# Altium PCB 11BRANMB10H_20170919.pcbdoc (part 4 of 7) (continued)
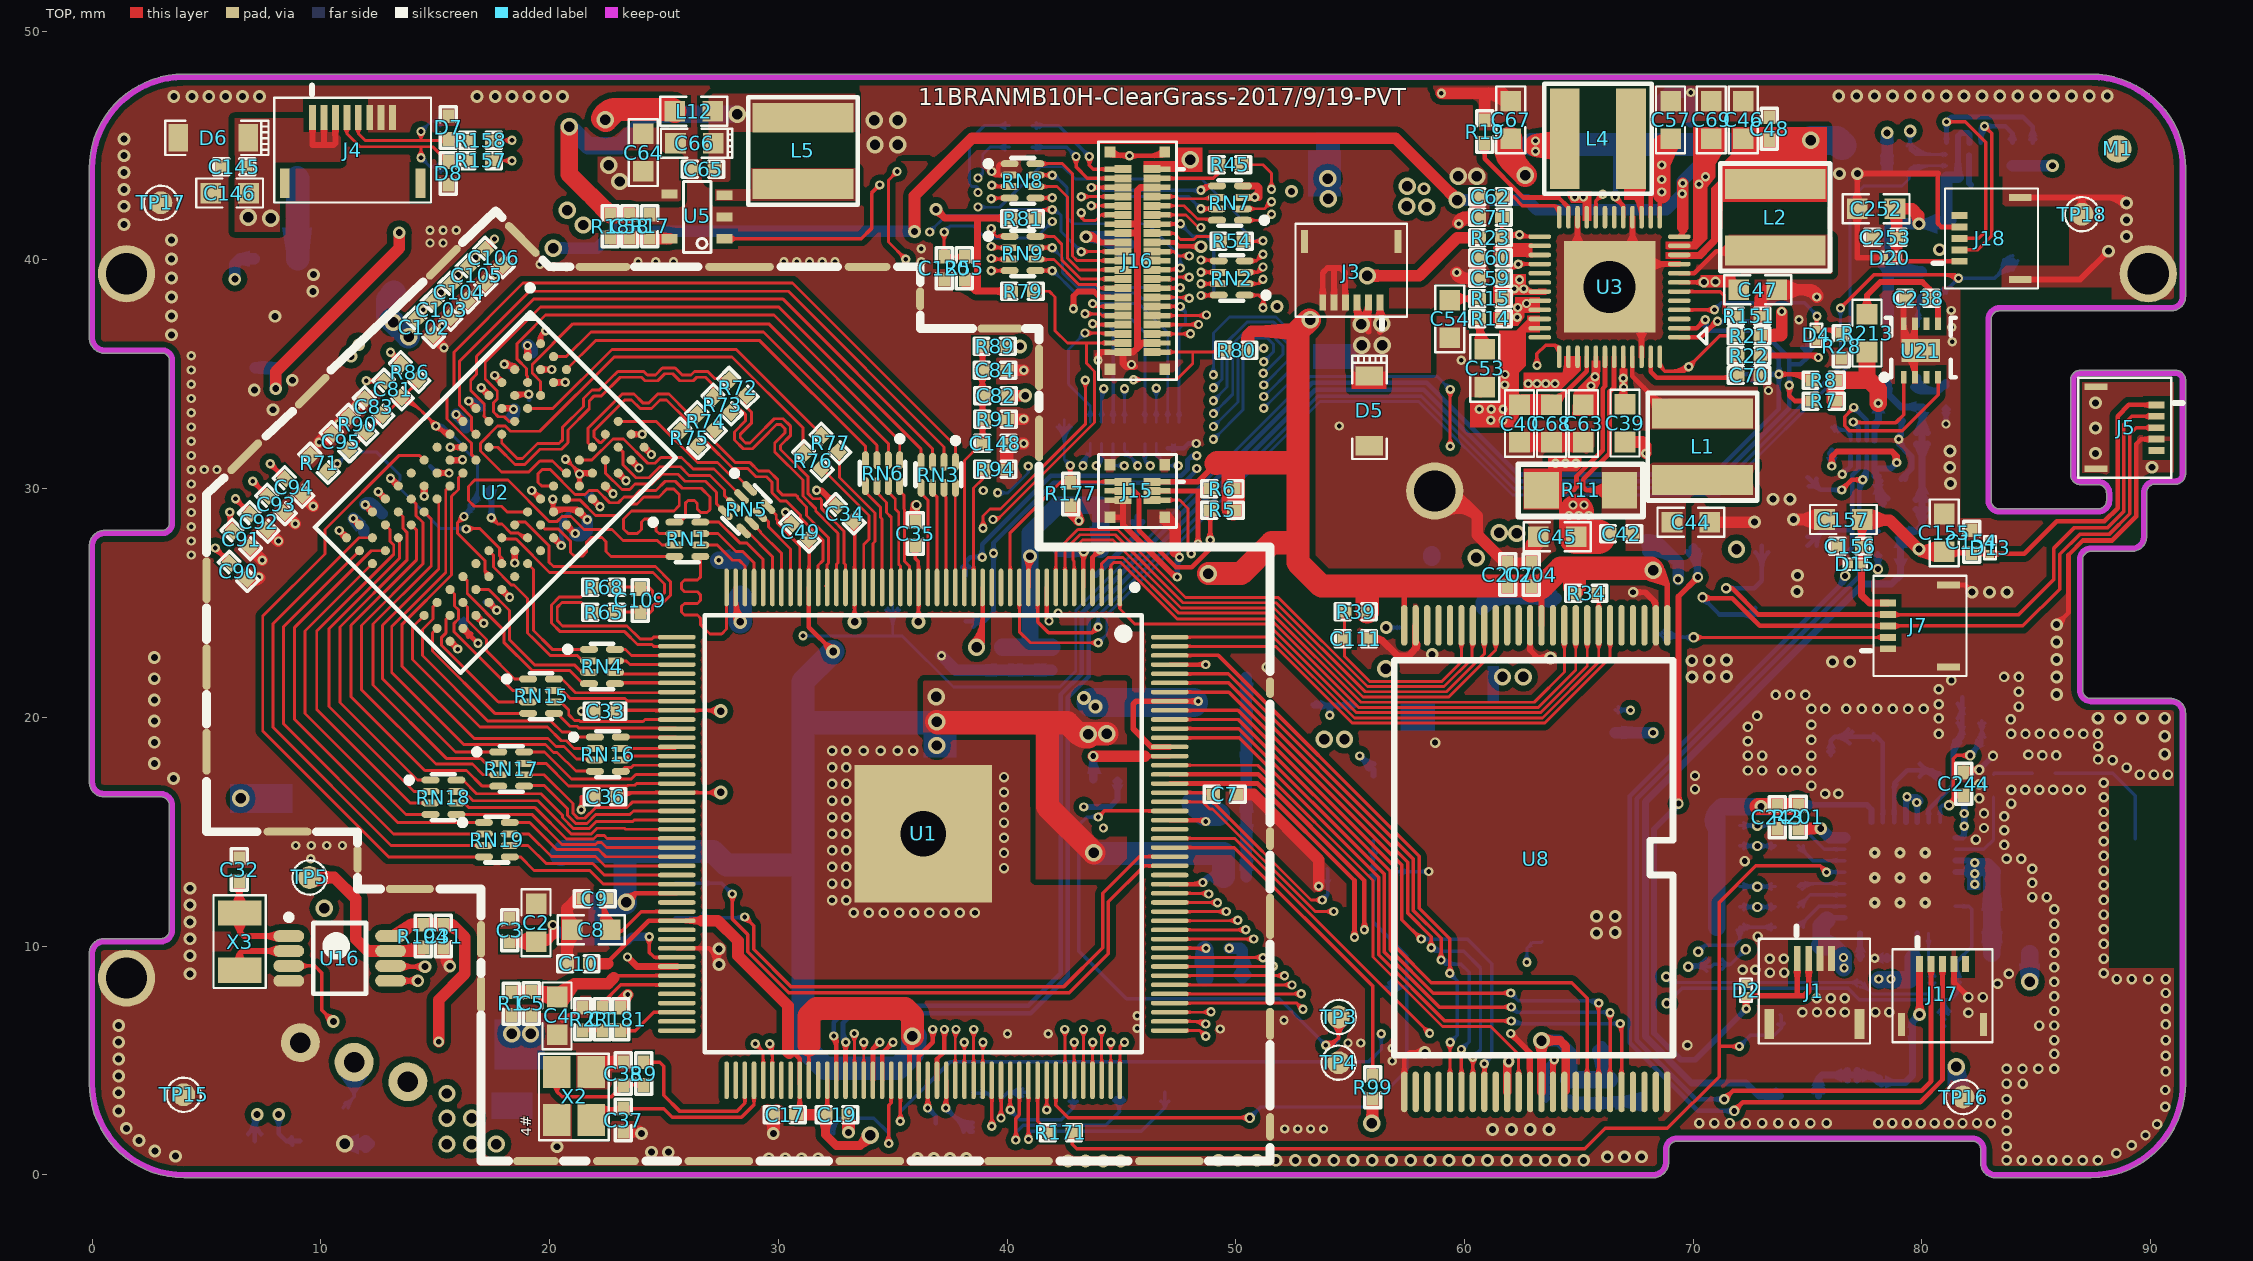
[diagram p0: TOP view]
## Nets (pads, with @x,y where several pads share a name; then routed paths per layer and width w, separated by ;. In a path a pad name is that pad's centre, name@x,y a point inside that pad or via, vN(x,y) a via of type N, cw(c..) or ccw(c..) an arc to the next point about the centre after c; other vN are vias at no path point) (continued)
  BOTTOM w0.127: v1(38.726,43.586) 38.938,43.799 ; v1@38.738,43.726 ccw(c38.76,43.977) 38.938,43.799 ; v1@38.865,43.598 cw(c39.117,43.62) 38.938,43.799 ; R46.2@39.92,44.801 ccw(c39.601,44.482) 39.601,44.933 ccw(c39.601,45.383) R46.2@39.92,45.064 ; R46.2@40.101,44.933 39.255,44.933 38.938,44.616 38.938,43.799
LCD-PWM0: TP26.1 U1.103 U9.5 | length 81.5
  TOP w0.127: v1@33.224,6.081 cw(c32.986,5.843) 33.323,5.843 cw(c33.66,5.843) v1@33.422,6.081 ; 33.323,4.975 ccw(c33.452,4.975) U1.103@33.361,4.884 ; v1(33.323,6.18) 33.323,4.145 U1.103@33.335,4.133 ; v1@59.273,31.95 ccw(c59.035,32.189) 59.372,32.189 ccw(c59.709,32.189) v1@59.471,31.95 ; v1@59.273,34.242 cw(c59.035,34.004) 59.372,34.004 cw(c59.709,34.004) v1@59.471,34.242 ; v1(59.372,31.852) v1(59.372,34.341)
  Singal w0.127: v1@30.937,23.561 cw(c30.632,23.552) 30.848,23.336 ; v1@31.073,23.425 ccw(c31.064,23.12) 30.848,23.336 ; v1(31.077,23.565) 30.848,23.336 ; v1@33.224,6.279 ccw(c32.986,6.517) 33.323,6.517 ccw(c33.66,6.517) v1@33.422,6.279 ; v1(33.323,6.18) 33.323,6.625 30.848,9.1 30.848,23.336 ; v3@56.362,23.927 ccw(c55.841,23.927) 56.209,24.295 ccw(c56.578,24.664) v3@56.578,24.143 ; v3(56.578,23.927) 56.197,24.308 56.197,30.632 57.086,31.521 59.067,31.521 59.372,31.826 v1(59.372,31.852) ; 59.116,31.57 ccw(c58.834,31.852) v1@59.232,31.852 ; 59.177,31.631 cw(c59.372,31.436) v1@59.372,31.712
  BOTTOM w0.127: v1(31.077,23.565) 35.42,23.565 37.655,21.329 42.306,21.329 43.002,22.026 43.002,24.67 53.232,34.9 58.813,34.9 v1(59.372,34.341) ; v1@31.176,23.466 cw(c31.414,23.227) 31.414,23.565 cw(c31.414,23.902) v1@31.176,23.663 ; TP26.1@34.691,24.691 cw(c33.946,23.946) 35,23.946 cw(c36.054,23.946) TP26.1@35.309,24.691 ; TP26.1@34.781,24.781 cw(c34.253,24.253) 35,24.253 cw(c35.747,24.253) TP26.1@35.219,24.781 ; 35,23.577 TP26.1@35,25 ; v3(56.578,23.927) U9.5@57.406,23.927 ; v3@56.731,23.774 cw(c57.099,23.406) 57.099,23.927 cw(c57.099,24.448) v3@56.731,24.079 ; U9.5@57.161,23.887 ccw(c57.065,23.79) 57.065,23.927 ccw(c57.065,24.063) U9.5@57.161,23.967 ; v1@59.232,34.341 ccw(c58.895,34.341) 59.134,34.579 ccw(c59.372,34.818) v1@59.372,34.48
LCD-RESET-N: C120.2 J15.5 J16.19 R55.1 U1.117 | length 85.9
  TOP w0.127: C120.2@37.117,40.325 ccw(c36.799,40.643) 37.249,40.643 ccw(c37.699,40.643) C120.2@37.381,40.325 ; v1@37.15,41.125 cw(c36.91,40.886) 37.249,40.886 ; 37.249,40.888 cw(c37.585,40.888) v1@37.347,41.125 ; v1@37.249,41.268 v1(37.249,41.224) C120.2@37.249,40.143 R55.1@38.138,40.143 ; C120.2@37.381,40.011 cw(c37.699,39.693) 37.699,40.143 cw(c37.699,40.593) C120.2@37.381,40.275 ; R55.1@38.006,40.011 ccw(c37.688,39.693) 37.688,40.143 ccw(c37.688,40.593) R55.1@38.006,40.275 ; v1@38.847,5.7 cw(c38.634,5.488) 38.935,5.488 ; U1.117@38.935,4.133 v1@38.935,5.788 ; 38.935,5.436 cw(c39.309,5.436) v1@39.045,5.7 ; J15.5@46.335,29.5 J15.5@46.925,29.5 47.546,29.5 47.917,29.129 47.917,27.283 v1(48.048,27.152) ; J16.19@46.335,40.37 J16.19@46.925,40.37 47.291,40.37 47.485,40.176 v1(47.968,40.176) v1@47.993,40.176 ; J15.5@46.78,29.46 ccw(c46.684,29.364) 46.684,29.5 ccw(c46.684,29.636) J15.5@46.78,29.54 ; J16.19@46.78,40.33 ccw(c46.684,40.234) 46.684,40.37 ccw(c46.684,40.506) J16.19@46.78,40.41 ; J15.5@47.07,29.46 cw(c47.166,29.364) 47.166,29.5 cw(c47.166,29.636) J15.5@47.07,29.54 ; J16.19@47.07,40.33 cw(c47.166,40.234) 47.166,40.37 cw(c47.166,40.506) J16.19@47.07,40.41 ; v1@47.869,40.077 ccw(c47.631,39.839) 47.631,40.176 ccw(c47.631,40.513) v1@47.869,40.275
  Singal w0.127: v1@37.15,41.125 cw(c36.911,40.887) 37.249,40.887 cw(c37.586,40.887) v1@37.347,41.125 ; v1(37.249,41.224) 37.249,32.156 v1(39.585,29.82) 40.119,29.286 41.287,29.286 42.612,27.961 42.612,23.485 41.876,22.748 41.876,7.175 40.5,5.799 v1(38.946,5.799) ; v1@39.045,5.7 cw(c39.283,5.462) 39.283,5.799 cw(c39.283,6.136) v1@39.045,5.898 ; v1@39.446,29.82 ccw(c39.108,29.82) 39.347,30.058 ccw(c39.585,30.297) v1@39.585,29.959 ; v1@39.585,29.68 cw(c39.585,29.343) 39.824,29.581 cw(c40.062,29.82) v1@39.725,29.82 ; v1(40.932,30.988) 41.897,30.988 42.684,31.775 47.485,31.775 47.917,31.343 47.917,27.283 v1(48.048,27.152) ; v1@41.03,30.889 cw(c41.269,30.651) 41.269,30.988 cw(c41.269,31.325) v1@41.03,31.087 ; v1(41.977,41.681) 44.729,41.681 46.234,40.176 v1(47.968,40.176) ; v1@42.076,41.582 cw(c42.314,41.344) 42.314,41.681 cw(c42.314,42.018) v1@42.076,41.78 ; v1@47.869,40.077 ccw(c47.631,39.839) 47.631,40.176 ccw(c47.631,40.513) v1@47.869,40.275
  BOTTOM w0.127: v1(37.249,41.224) 37.502,41.478 38.536,41.478 39.056,40.957 41.254,40.957 v1(41.977,41.681) ; v1@37.249,41.364 ccw(c37.249,41.701) 37.487,41.463 ccw(c37.726,41.224) v1@37.388,41.224 ; v1(39.585,29.82) 40.043,29.82 40.932,30.709 ; v1@39.684,29.721 cw(c39.923,29.482) 39.923,29.82 cw(c39.923,30.157) v1@39.684,29.918 ; v1@40.848,30.876 cw(c40.722,30.709) 40.932,30.709 ; v1(40.932,30.988) 40.932,30.709 ; v1@41.015,30.876 ccw(c41.141,30.709) 40.932,30.709 ; v1@41.838,41.681 cw(c41.5,41.681) 41.739,41.443 cw(c41.977,41.204) v1@41.977,41.541
LCD-SPI1_CLK: J16.40 R79.2 U1.115 | length 45.1
  TOP w0.127: v1@38.034,5.7 cw(c37.79,5.456) 38.135,5.456 ; U1.115@38.135,4.133 v1@38.135,5.797 ; 38.135,5.467 cw(c38.465,5.467) v1@38.232,5.7 ; v1(39.382,28.651) 39.578,28.651 43.827,32.9 43.827,35.128 43.472,35.484 43.472,36.37 ; R79.2@41.178,38.633 41.846,38.633 42.1,38.379 42.1,36.906 42.636,36.37 43.472,36.37 ; R79.2@41.359,38.502 cw(c41.678,38.183) 41.678,38.633 cw(c41.678,39.084) R79.2@41.359,38.765 ; J16.40@44.33,36.33 ccw(c44.234,36.234) 44.234,36.37 ccw(c44.234,36.506) J16.40@44.33,36.41 ; J16.40@44.62,36.33 cw(c44.716,36.234) 44.716,36.37 cw(c44.716,36.506) J16.40@44.62,36.41 ; J16.40@45.065,36.37 J16.40@44.475,36.37 43.472,36.37
  Singal w0.127: v1@38.034,5.898 ccw(c37.788,6.144) 38.136,6.144 ; v1(38.133,5.799) 38.136,5.802 38.136,6.51 38.133,6.514 38.133,6.672 38.555,7.094 39.205,7.094 41.135,9.024 41.135,22.061 40.533,22.663 40.533,27.011 39.382,28.162 v1(39.382,28.651) ; 38.136,6.128 ccw(c38.462,6.128) v1@38.232,5.898 ; v1@39.283,28.552 cw(c39.045,28.314) 39.382,28.314 cw(c39.719,28.314) v1@39.481,28.552
LCD-SPI1_CS0: J16.41 R80.2 U1.114 | length 50
  TOP w0.127: v1@37.669,6.259 cw(c37.51,6.1) 37.735,6.1 ; U1.114@37.735,4.133 v1@37.735,6.325 ; 37.735,5.941 cw(c38.185,5.941) v1@37.867,6.259 ; v1@38.852,28.369 ccw(c38.613,28.607) 38.95,28.607 ccw(c39.288,28.607) v1@39.049,28.369 ; v1(38.95,28.27) 38.95,28.804 39.255,29.108 39.712,29.108 43.421,32.817 v1(43.421,34.747) ; v1@43.322,34.648 cw(c43.084,34.41) 43.421,34.41 cw(c43.758,34.41) v1@43.52,34.648 ; v1(45.529,34.766) 47.409,34.766 48.12,35.477 48.12,35.97 ; v1@45.628,34.667 cw(c45.867,34.429) 45.867,34.766 cw(c45.867,35.103) v1@45.628,34.865 ; J16.41@46.335,35.97 J16.41@46.925,35.97 48.12,35.97 ; J16.41@46.78,35.93 ccw(c46.684,35.834) 46.684,35.97 ccw(c46.684,36.106) J16.41@46.78,36.01 ; J16.41@47.07,35.93 cw(c47.166,35.834) 47.166,35.97 cw(c47.166,36.106) J16.41@47.07,36.01 ; 48.804,35.97 ccw(c48.804,36.732) R80.2@49.343,36.193 ; 49.111,35.97 ccw(c49.111,36.426) R80.2@49.433,36.103 ; R80.2@49.525,36.061 49.434,35.97 48.12,35.97
  Singal w0.127: v1@37.669,6.457 ccw(c37.431,6.695) 37.768,6.695 ccw(c38.105,6.695) v1@37.867,6.457 ; v1(37.768,6.358) 37.768,6.942 38.149,7.323 39.11,7.323 40.906,9.119 40.906,21.966 40.305,22.568 40.305,26.916 v1(38.95,28.27) ; v1@38.95,28.13 cw(c38.95,27.793) 39.189,28.032 cw(c39.427,28.27) v1@39.09,28.27 ; v1(43.421,34.747) 43.827,35.154 45.142,35.154 v1(45.529,34.766) ; v1@43.421,34.887 ccw(c43.421,35.224) 43.659,34.986 ccw(c43.898,34.747) v1@43.56,34.747 ; v1@45.39,34.766 ccw(c45.052,34.766) 45.291,35.004 ccw(c45.529,35.243) v1@45.529,34.906
LCD-SPI1_MOSI: J16.20 R81.2 U1.116 | length 59.8
  TOP w0.127: v1@38.441,6.259 cw(c38.213,6.031) 38.535,6.031 ; U1.116@38.535,4.133 v1@38.535,6.353 ; 38.535,6.01 cw(c38.887,6.01) v1@38.638,6.259 ; R81.2@41.178,41.808 41.571,42.202 ; R81.2@41.228,41.995 ccw(c41.228,42.324) 41.461,42.091 ; R81.2@41.414,41.812 cw(c41.951,41.822) 41.571,42.202 ; v1@41.878,42.103 ccw(c41.64,41.865) 41.64,42.202 ccw(c41.64,42.539) v1@41.878,42.301 ; v1(41.977,42.202) 41.571,42.202 ; v1@43.257,40.37 J16.20@44.475,40.37 J16.20@45.065,40.37 ; v1@43.346,40.262 cw(c43.608,40) 43.608,40.37 ; v1@43.346,40.459 ccw(c43.561,40.674) 43.561,40.37 ; J16.20@44.33,40.33 ccw(c44.234,40.234) 44.234,40.37 ccw(c44.234,40.506) J16.20@44.33,40.41 ; J16.20@44.62,40.33 cw(c44.716,40.234) 44.716,40.37 cw(c44.716,40.506) J16.20@44.62,40.41
  Singal w0.127: v1@36.515,41.125 cw(c36.273,40.883) 36.615,40.883 ; v1@36.614,41.3 36.615,41.299 v1(36.614,41.224) 36.615,40.625 36.951,40.288 36.951,31.391 39.209,29.134 39.857,29.134 41.61,27.381 41.61,26.713 40.762,25.865 40.762,22.757 41.363,22.156 41.363,8.929 38.792,6.358 ; 36.615,40.891 cw(c36.947,40.891) v1@36.712,41.125 ; v1@38.539,6.243 ccw(c38.539,6.577) 38.775,6.341 ; v1(38.539,6.358) 38.792,6.358 ; v1@38.539,6.37 ccw(c38.539,7.01) 38.992,6.558 ; v1@38.539,6.497 ccw(c38.539,7.444) 39.209,6.775 ; v1@38.658,6.284 cw(c38.792,6.2) 38.792,6.358 ; v1@38.658,6.432 ccw(c38.792,6.516) 38.792,6.358
  BOTTOM w0.127: v1(36.614,41.224) 37.337,41.948 39.767,41.948 40.034,42.215 41.977,42.215 42.1,42.215 42.358,41.957 ; v1@36.614,41.364 ccw(c36.614,41.701) 36.852,41.463 ccw(c37.091,41.224) v1@36.753,41.224 ; 41.609,42.215 cw(c41.609,41.834) v1@41.878,42.103 ; 41.671,42.215 ccw(c41.671,42.508) v1@41.878,42.301 ; v1@41.98,42.19 cw(c42.024,41.96) 42.189,42.125 ; v1@42.004,42.065 cw(c42.079,41.678) 42.358,41.957 ; v1@43.108,40.36 ccw(c42.77,40.36) 43.009,40.599 ccw(c43.247,40.837) v1@43.247,40.5 ; v1(43.247,40.36) 42.358,41.249 42.358,41.957
LCD-VSYNC: R45.2 U1.126 | length 62.4
  TOP w0.127: v1@42.428,6.259 cw(c42.171,6.002) 42.535,6.002 ; v1(42.527,6.358) 42.535,6.35 U1.126@42.535,4.133 ; 42.535,6.039 cw(c42.846,6.039) v1@42.626,6.259 ; R45.2@50.246,44.164 51.187,44.164 51.562,43.789 v1(51.562,43.091) ; R45.2@50.428,44.032 cw(c50.746,43.714) 50.746,44.164 cw(c50.746,44.614) R45.2@50.428,44.296 ; v1@51.463,43.19 ccw(c51.225,43.428) 51.562,43.428 ccw(c51.899,43.428) v1@51.661,43.19
  Singal w0.127: v1@42.387,6.358 ccw(c42.05,6.358) 42.289,6.596 ccw(c42.527,6.835) v1@42.527,6.497 ; v1(42.527,6.358) 42.276,6.608 42.276,22.351 42.937,23.011 42.937,27.436 42.938,27.437 42.938,28.277 41.552,29.663 40.69,29.663 37.795,32.557 37.795,43.479 38.868,44.552 42.354,44.552 42.76,44.145 45.249,44.145 45.689,43.705 51.291,43.705 51.562,43.434 v1(51.562,43.091) ; v1@51.463,43.19 ccw(c51.225,43.428) 51.562,43.428 ccw(c51.899,43.428) v1@51.661,43.19
LDO_1V8_EN: R199.2 R210.1 TP2.1 U1.10 U19.3 | length 82.8
  TOP w0.152: U1.10@41.335,25.683 41.335,24.172 41.813,23.694 43.726,23.694 v1(43.98,23.948) ; v1(76.441,37.897) 77.889,39.345 81.455,39.345 v1(81.598,39.202) ; 80.947,39.345 cw(c80.947,38.55) v1@81.509,39.112 ; 81.314,39.345 cw(c81.314,38.918) v1@81.616,39.22 ; 43.763,23.731 cw(c43.98,23.514) 43.98,23.821 ccw(c43.98,23.514) 43.763,23.731 ; 43.763,23.731 ccw(c43.546,23.948) 43.853,23.948 cw(c43.546,23.948) 43.763,23.731 ; 76.658,38.114 cw(c76.441,38.33) 76.441,38.024 ccw(c76.441,38.33) 76.658,38.114 ; 76.658,38.114 ccw(c76.874,37.897) 76.568,37.897 cw(c76.874,37.897) 76.658,38.114
  BOTTOM w0.152: v1(43.98,23.948) 43.98,24.444 53.585,34.049 58.105,34.049 62.194,29.959 62.274,30.039 71.129,30.039 76.441,35.351 v1(76.441,37.897) ; U19.3@79.834,37.107 79.834,38.352 R199.2@79.971,38.489 R210.1@80.886,38.489 v1(81.598,39.202) 83.179,39.202 83.977,40 83.989,39.989 TP2.1@84,39.977 ; R199.2@79.859,38.306 cw(c79.704,38.122) 79.913,38.002 ; R199.2@79.958,38.423 cw(c79.823,38.263) 80.004,38.159 ; R210.1@80.906,38.533 cw(c81.27,38.422) 81.172,38.789 ; 83.45,39.531 cw(c84.12,39.351) TP2.1@83.994,40.033 ; 83.506,39.444 ccw(c83.316,40.153) TP2.1@84.033,39.993 ; 83.513,39.764 cw(c84.071,39.614) TP2.1@83.966,40.183 ; 83.749,39.509 ccw(c83.593,40.091) TP2.1@84.181,39.959 ; 43.98,24.254 cw(c43.673,24.254) 43.89,24.038 ccw(c43.673,24.254) 43.98,24.254 ; 43.98,24.254 ccw(c44.287,24.254) 44.07,24.038 cw(c44.287,24.254) 43.98,24.254 ; 76.441,37.59 cw(c76.747,37.59) 76.531,37.807 ccw(c76.747,37.59) 76.441,37.59 ; 76.441,37.59 ccw(c76.134,37.59) 76.351,37.807 cw(c76.134,37.59) 76.441,37.59 ; 79.834,37.656 cw(c79.535,37.656) 79.746,37.445 ccw(c79.535,37.656) 79.834,37.656 ; 79.834,37.656 ccw(c80.133,37.656) 79.922,37.445 cw(c80.133,37.656) 79.834,37.656 ; 80.391,38.489 cw(c80.391,38.909) 80.094,38.612 ccw(c80.391,38.909) 80.391,38.489 ; 80.391,38.489 ccw(c80.391,38.069) 80.094,38.366 cw(c80.391,38.069) 80.391,38.489 ; 80.466,38.489 cw(c80.466,38.069) 80.763,38.366 ccw(c80.466,38.069) 80.466,38.489 ; 80.466,38.489 ccw(c80.466,38.909) 80.763,38.612 cw(c80.466,38.909) 80.466,38.489 ; 81.382,38.985 cw(c81.598,38.768) 81.598,39.075 ccw(c81.598,38.768) 81.382,38.985 ; 81.382,38.985 ccw(c81.165,39.202) 81.471,39.202 cw(c81.165,39.202) 81.382,38.985 ; 81.905,39.202 cw(c81.905,39.508) 81.688,39.291 ccw(c81.905,39.508) 81.905,39.202 ; 81.905,39.202 ccw(c81.905,38.895) 81.688,39.112 cw(c81.905,38.895) 81.905,39.202 ; 79.834,37.688 cw(c80.723,37.688) 80.094,38.316 ccw(c80.723,37.688) 79.834,37.688 ; 79.834,38.056 cw(c80.355,38.056) 79.987,38.424 ccw(c80.355,38.056) 79.834,38.056 ; R210.1@80.886,38.713 ccw(c80.886,39.253) 81.268,38.871 cw(c80.886,39.253) R210.1@80.886,38.713 ; R210.1@81.06,38.539 cw(c81.358,38.539) 81.147,38.75 ccw(c81.358,38.539) R210.1@81.06,38.539 ; 83.238,39.26 cw(c84,38.498) 84,39.576 ccw(c84,38.498) 83.238,39.26 ; 83.293,39.315 ccw(c82.608,40) 83.576,40 cw(c82.608,40) 83.293,39.315 ; 83.498,39.521 cw(c84,39.018) 84,39.729 ccw(c84,39.018) 83.498,39.521 ; 83.553,39.576 ccw(c83.128,40) 83.729,40 cw(c83.128,40) 83.553,39.576
LRADC: R181.1 U1.86 | length 3.4
  TOP w0.152: R181.1@23.105,6.307 23.743,6.307 24.544,7.108 U1.86@25.56,7.108 ; R181.1@23.228,6.184 cw(c23.525,5.887) 23.525,6.307 cw(c23.525,6.727) R181.1@23.228,6.43
N495906: D4.2 R28.1 U3.4 | length 12.3
  TOP w0.152: U3.4@69.393,37.819 v1@70.927,37.819 ; 70.619,37.819 ccw(c70.619,38.131) v1@70.839,37.91 ; 70.626,37.819 cw(c70.626,37.518) v1@70.839,37.731 ; D4.2@75.316,37.038 ccw(c75.147,37.207) 75.386,37.207 ccw(c75.624,37.207) 75.456,37.038 ccw(c75.624,37.207) 75.624,36.968 ccw(c75.624,36.729) D4.2@75.456,36.898 ; v1@75.321,37.451 cw(c75.166,37.296) 75.386,37.296 ; 75.386,37.173 cw(c75.779,37.173) v1@75.501,37.451 ; v1(75.411,37.541) 75.386,37.516 D4.2@75.386,36.968 76.223,36.968 R28.1@76.47,36.72 ; 75.573,36.968 cw(c75.573,35.873) R28.1@76.348,36.647 ; 75.941,36.968 cw(c75.941,36.241) R28.1@76.455,36.755
  BOTTOM w0.152: v1(70.929,37.821) 71.234,38.125 74.866,38.125 v1@75.431,37.561 ; v1@70.929,37.948 ccw(c70.929,38.254) 71.146,38.037 ccw(c71.363,37.821) v1@71.056,37.821 ; 75.167,37.825 cw(c74.883,37.541) v1@75.284,37.541 ; 75.261,37.73 ccw(c75.411,37.881) v1@75.411,37.668
N496392: C42.1 C44.1 L1.1 R11.2 U3.43 | length 11.6
  TOP w0.203: R11.2@66.289,29.494 ccw(c65.327,28.648) 65.327,29.929 ; R11.2@66.289,30.364 cw(c65.327,31.21) 65.327,29.929 ; R11.2@66.441,29.628 ccw(c65.776,29.044) 65.776,29.929 ccw(c65.776,30.814) R11.2@66.441,30.23 ; U3.43@66.543,35.769 66.537,35.763 66.537,34.46 66.543,34.453 66.543,34.447 66.343,34.247 66.343,31.549 65.2,30.406 65.2,30.056 65.327,29.929 ; R11.2@66.783,29.929 65.327,29.929
N496496: L2.1 U3.8 | length 6.4
  TOP w0.203: U3.8@69.393,39.419 70.054,39.419 71.01,40.375 ; 71.362,40.375 ccw(c71.362,40.804) L2.1@71.733,40.59 ; L2.1@71.557,40.691 cw(c71.01,41.007) 71.01,40.375 ; L2.1@71.596,40.085 ccw(c71.01,39.639) 71.01,40.375 ; L2.1@73.582,40.417 73.54,40.375 71.01,40.375
N496956: C70.2 R22.1 U3.47 | length 7.1
  TOP w0.152: U3.47@68.143,35.687 U3.47@68.143,35.769
  TOP w0.203: U3.47@68.143,35.687 68.143,35.12 68.407,34.857 71.845,34.857 C70.2@71.939,34.95 R22.1@71.939,35.817 ; 71.304,34.857 ccw(c71.304,35.535) C70.2@71.784,35.055 ; C70.2@71.834,35.055 ccw(c71.58,35.309) 71.939,35.309 ccw(c72.297,35.308) C70.2@72.044,35.055 ; R22.1@71.834,35.712 cw(c71.581,35.458) 71.939,35.458 cw(c72.297,35.458) R22.1@72.044,35.712
N497310: C62.2 U3.24 | length 3.9
  TOP w0.152: C62.2@61.636,42.756 62.152,42.756 62.533,42.375 63.93,42.375 ; C62.2@61.809,42.633 cw(c62.106,42.336) 62.106,42.756 cw(c62.106,43.176) C62.2@61.809,42.879 ; 63.927,42.378 63.93,42.375 ; U3.24@64.143,41.869 64.143,42.162 63.93,42.375 ; U3.24@64.142,42.293 cw(c64.129,42.574) 63.93,42.375
N497342: R19.2 U3.23 | length 6.2
  TOP w0.203: R19.2@60.777,44.959 cw(c60.524,44.706) 60.882,44.706 cw(c61.24,44.706) R19.2@60.987,44.959 ; R19.2@60.882,45.114 60.882,44.421 62.573,42.731 64.11,42.731 64.543,42.298 U3.23@64.543,41.869
N497492: L4.1 U3.15 | length 8.9
  TOP w0.203: L4.1@66.851,44.989 66.851,44.788 67.743,43.896 U3.15@67.743,41.869 ; L4.1@66.971,43.297 cw(c65.934,41.814) U3.15@67.743,41.814 ; L4.1@67.087,43.463 cw(c66.207,42.204) U3.15@67.743,42.204 ; L4.1@67.204,43.63 cw(c66.479,42.594) 67.743,42.594 ; L4.1@67.32,43.796 cw(c66.752,42.984) 67.743,42.984
N497618: L1.2 U3.45 | length 7.1
  TOP w0.203: U3.45@67.343,35.769 67.343,34.923 L1.2@68.629,33.638 ; 67.832,34.434 cw(c66.682,33.284) L1.2@68.309,33.284 ; 68.135,34.132 ccw(c68.857,34.854) L1.2@68.857,33.832 ; 68.179,34.087 cw(c67.376,33.284) L1.2@68.512,33.284 ; L1.2@68.603,33.638 L1.2@68.629,33.638 ; L1.2@70.018,33.638 L1.2@68.629,33.638
N499368: C43.1 C51.1 C52.1 L3.1 L13.2 R13.2 | length 10.9
  TOP w0.508: v3(8.025,34.374) 8.025,35.107 13.424,40.506 v3(13.424,41.192)
  BOTTOM w0.508: R13.2@7.125,35.29 8.008,35.29 C43.1@8.014,35.284 8.014,34.374 v3@8.014,34.36
N499376: C43.2 R12.2 R13.1 U4.5
N499488: L3.2 U4.3 | length 3.6
  BOTTOM w1.016: L3.2@8.951,43.605 8.989,43.567 U4.3@8.989,40.049
N502826: C58.1 C65.1 C66.1 L5.1 L12.2 R18.2 | length 13.7
  TOP w0.762: v4(20.866,45.822) 20.866,43.756 R18.2@22.644,41.978 C58.1@23.507,41.978
  BOTTOM w0.762: v4(20.866,45.822) 21.685,45.002 23.069,45.002 24.44,46.374 v4(28.207,46.374)
N502890: C58.2 R17.2 R18.1 U5.5 | length 2.6
  TOP w0.508: R18.1@22.644,40.978 22.694,40.928 23.507,40.928 24.371,40.928 U5.5@25.248,40.928
N502982: L5.2 U5.3
N16922120: C54.1 R15.2 | length 3
  TOP w0.254: C54.1@59.358,38.248 59.421,38.311 R15.2@60.636,38.311 ; C54.1@59.586,38.019 cw(c60.291,37.314) 60.291,38.311 ; C54.1@59.586,38.476 ccw(c59.984,38.874) 59.984,38.311 ; R15.2@60.499,38.224 ccw(c60.289,38.014) 60.289,38.311 ccw(c60.289,38.608) R15.2@60.499,38.398
N16974975: J16.3 R45.1 | length 3.9
  TOP w0.152: J16.3@46.335,43.57 J16.3@46.925,43.57 49.018,43.57 49.246,43.798 ; R45.1@49.136,44.029 cw(c48.947,43.798) 49.246,43.798 ; R45.1@49.246,44.164 49.246,43.798 ; R45.1@49.356,44.029 ccw(c49.544,43.798) 49.246,43.798
N16974977: J16.4 R46.1 | length 6.4
  TOP w0.152: v1@42.925,44.436 cw(c42.708,44.22) 43.014,44.22 cw(c43.321,44.22) v1@43.104,44.436 ; v1(43.014,44.526) 43.014,44.069 43.513,43.57 J16.4@44.475,43.57 J16.4@45.065,43.57
  BOTTOM w0.152: R46.1@41.101,44.933 42.608,44.933 v1(43.014,44.526) ; R46.1@41.274,44.81 cw(c41.571,44.513) 41.571,44.933 cw(c41.571,45.352) R46.1@41.274,45.055 ; v1@42.887,44.526 ccw(c42.581,44.526) 42.798,44.743 ccw(c43.014,44.96) v1@43.014,44.653
N16975074: J16.2 R44.1 | length 6.6
  TOP w0.152: v1@43.509,44.436 cw(c43.292,44.22) 43.599,44.22 cw(c43.905,44.22) v1@43.688,44.436 ; v1(43.599,44.526) 43.599,44.145 43.774,43.97 J16.2@44.475,43.97 J16.2@45.065,43.97
  BOTTOM w0.152: R44.1@41.101,45.872 42.252,45.872 v1(43.599,44.526) ; R44.1@41.274,45.75 cw(c41.571,45.453) 41.571,45.872 cw(c41.571,46.292) R44.1@41.274,45.995 ; v1@43.472,44.526 ccw(c43.165,44.526) 43.382,44.743 ccw(c43.599,44.96) v1@43.599,44.653
N16976082: J16.6 RN7.5 | length 10.3
  TOP w0.152: v1@43.704,43.17 J16.6@44.475,43.17 J16.6@45.065,43.17 ; v1@43.765,43.08 cw(c43.981,42.863) 43.981,43.17 cw(c43.981,43.477) v1@43.765,43.26 ; v1@48.457,43.063 cw(c48.843,42.723) RN7.5@48.843,43.238 ; v1(48.476,43.046) 48.667,43.238 ; v1@48.488,43.173 ccw(c48.508,43.396) 48.667,43.238 ; v1@48.571,42.962 cw(c49.181,42.425) RN7.5@49.181,43.238 48.667,43.238 ; v1@48.602,43.058 cw(c48.826,43.079) 48.667,43.238 ; RN7.5@48.885,43.184 ccw(c48.755,43.054) 48.755,43.238 ccw(c48.755,43.422) RN7.5@48.885,43.292
  BOTTOM w0.152: v1(43.675,43.17) 44.069,43.17 44.193,43.046 v1(48.476,43.046) ; v1@43.765,43.08 cw(c43.981,42.863) 43.981,43.17 cw(c43.981,43.477) v1@43.765,43.26 ; v1@48.386,42.957 ccw(c48.169,42.74) 48.169,43.046 ccw(c48.169,43.353) v1@48.386,43.136
N16976085: J16.7 RN7.6 | length 3.7
  TOP w0.127: J16.7@46.335,42.77 J16.7@46.925,42.77 47.409,42.77 47.501,42.678 49.121,42.678 RN7.6@49.181,42.738 ; J16.7@46.78,42.73 ccw(c46.684,42.634) 46.684,42.77 ccw(c46.684,42.906) J16.7@46.78,42.81 ; J16.7@47.07,42.73 cw(c47.166,42.634) 47.166,42.77 cw(c47.166,42.906) J16.7@47.07,42.81 ; 48.581,42.678 ccw(c48.581,43.096) RN7.6@48.876,42.8
N16976088: J16.8 RN7.7 | length 10.9
  TOP w0.127: v1@43.25,42.77 J16.8@44.475,42.77 J16.8@45.065,42.77 ; v1@43.346,42.668 cw(c43.592,42.422) 43.592,42.77 ; v1@43.346,42.866 ccw(c43.577,43.097) 43.577,42.77 ; J16.8@44.33,42.73 ccw(c44.234,42.634) 44.234,42.77 ccw(c44.234,42.906) J16.8@44.33,42.81 ; J16.8@44.62,42.73 cw(c44.716,42.634) 44.716,42.77 cw(c44.716,42.906) J16.8@44.62,42.81 ; v1@48.4,42.234 v1(48.476,42.234) 48.48,42.238 RN7.7@49.181,42.238 ; v1@48.575,42.135 cw(c48.823,41.887) RN7.7@48.823,42.238 ; v1@48.575,42.332 ccw(c48.803,42.561) RN7.7@48.803,42.238 ; RN7.7@48.876,42.175 ccw(c48.725,42.023) 48.725,42.238 ccw(c48.725,42.452) RN7.7@48.876,42.301
  BOTTOM w0.127: v1(43.247,42.767) 47.942,42.767 v1(48.476,42.234) ; v1@43.346,42.668 cw(c43.584,42.43) 43.584,42.767 cw(c43.584,43.104) v1@43.346,42.866 ; v1@48.336,42.234 ccw(c47.999,42.234) 48.237,42.472 ccw(c48.476,42.711) v1@48.476,42.373
N16976091: J16.9 RN7.8 | length 3.8
  TOP w0.127: J16.9@46.335,42.37 J16.9@46.925,42.37 47.742,42.37 48.323,41.789 49.129,41.789 RN7.8@49.181,41.738 ; J16.9@46.78,42.33 ccw(c46.684,42.234) 46.684,42.37 ccw(c46.684,42.506) J16.9@46.78,42.41 ; J16.9@47.07,42.33 cw(c47.166,42.234) 47.166,42.37 cw(c47.166,42.506) J16.9@47.07,42.41 ; 48.6,41.789 cw(c48.6,41.398) RN7.8@48.876,41.675
N16976439: J16.15 R54.1 | length 3.7
  TOP w0.127: J16.15@46.335,41.17 J16.15@46.925,41.17 47.307,41.17 47.577,40.9 48.165,40.9 48.292,41.027 49.106,41.027 R54.1@49.322,40.811 ; J16.15@46.78,41.13 ccw(c46.684,41.034) 46.684,41.17 ccw(c46.684,41.306) J16.15@46.78,41.21 ; J16.15@47.07,41.13 cw(c47.166,41.034) 47.166,41.17 cw(c47.166,41.306) J16.15@47.07,41.21
N16977236: J16.25 RN8.5 | length 15.7
  TOP w0.127: RN8.5@41.256,42.723 RN8.5@41.243,42.709 41.977,42.709 41.985,42.709 41.988,42.712 v1@41.998,42.723 ; RN8.5@41.547,42.646 cw(c41.699,42.495) 41.699,42.709 cw(c41.699,42.924) RN8.5@41.547,42.772 ; RN8.5@41.607,42.709 ccw(c41.607,43.093) v1@41.878,42.822 ; 41.672,42.709 cw(c41.672,42.418) v1@41.878,42.624 ; J16.25@46.335,39.17 J16.25@46.925,39.17 47.371,39.17 47.45,39.249 v1(47.968,39.249) ; J16.25@46.78,39.13 ccw(c46.684,39.034) 46.684,39.17 ccw(c46.684,39.306) J16.25@46.78,39.21 ; J16.25@47.07,39.13 cw(c47.166,39.034) 47.166,39.17 cw(c47.166,39.306) J16.25@47.07,39.21 ; v1@47.869,39.15 ccw(c47.631,38.912) 47.631,39.249 ccw(c47.631,39.586) v1@47.869,39.348
  Singal w0.127: v1@41.998,42.723 v1(41.977,42.723) ; v1@47.869,39.15 ccw(c47.631,38.912) 47.631,39.249 ccw(c47.631,39.586) v1@47.869,39.348 ; v1(47.968,39.249) 42.936,39.249 42.231,39.954 41.723,39.954 41.393,40.284 41.393,42.418 41.698,42.723 ; 41.698,42.723 ccw(c41.698,42.932) 41.865,42.807 cw(c41.698,42.932) 41.698,42.723 ; 41.698,42.723 cw(c41.698,42.514) 41.865,42.639 ccw(c41.698,42.514) 41.698,42.723 ; 41.698,42.723 v1(41.977,42.723) ; 41.698,42.723 v1(41.977,42.723)
N16977237: J16.24 RN8.6 | length 7.3
  TOP w0.127: RN8.6@41.547,43.147 cw(c41.699,42.995) 41.699,43.209 cw(c41.699,43.424) RN8.6@41.547,43.272 ; RN8.6@41.598,43.209 42.18,43.209 42.638,42.752 42.638,40.076 43.144,39.57 J16.24@44.475,39.57 J16.24@45.065,39.57 ; J16.24@44.33,39.53 ccw(c44.234,39.434) 44.234,39.57 ccw(c44.234,39.706) J16.24@44.33,39.61 ; J16.24@44.62,39.53 cw(c44.716,39.434) 44.716,39.57 cw(c44.716,39.706) J16.24@44.62,39.61
N16977238: J16.23 RN8.7 | length 13.6
  TOP w0.127: RN8.7@41.243,43.709 v1(41.977,43.709) v1@42.079,43.709 ; RN8.7@41.547,43.646 cw(c41.699,43.495) 41.699,43.709 cw(c41.699,43.924) RN8.7@41.547,43.772 ; v1@41.878,43.611 ccw(c41.64,43.372) 41.64,43.709 ccw(c41.64,44.047) v1@41.878,43.808 ; J16.23@46.335,39.57 J16.23@46.925,39.57 47.495,39.57 v1(47.574,39.649) ; J16.23@46.78,39.53 ccw(c46.684,39.434) 46.684,39.57 ccw(c46.684,39.706) J16.23@46.78,39.61 ; J16.23@47.046,39.57 ccw(c47.046,40.178) v1@47.475,39.748 ; J16.23@47.07,39.53 cw(c47.166,39.434) 47.166,39.57 cw(c47.166,39.706) J16.23@47.07,39.61 ; 47.352,39.57 ccw(c47.352,39.871) v1@47.565,39.658
  BOTTOM w0.127: v1@41.977,43.57 cw(c41.977,42.987) 42.389,43.399 ; v1@41.977,43.697 cw(c41.977,43.421) 42.172,43.616 ; v1@42.079,43.709 42.612,43.176 42.612,41.859 42.885,41.586 46.145,41.586 47.574,40.157 v1(47.574,39.649) ; v1@47.475,39.748 ccw(c47.237,39.986) 47.574,39.986 ccw(c47.911,39.986) v1@47.673,39.748
N16977239: J16.22 RN8.8 | length 8.5
  TOP w0.127: RN8.8@41.243,44.209 42.43,44.209 42.866,43.773 42.866,40.171 43.067,39.97 J16.22@44.475,39.97 J16.22@45.065,39.97 ; RN8.8@41.547,44.147 cw(c41.699,43.995) 41.699,44.209 cw(c41.699,44.424) RN8.8@41.547,44.272 ; J16.22@44.33,39.93 ccw(c44.234,39.834) 44.234,39.97 ccw(c44.234,40.106) J16.22@44.33,40.01 ; J16.22@44.62,39.93 cw(c44.716,39.834) 44.716,39.97 cw(c44.716,40.106) J16.22@44.62,40.01